# KiCad board SparkFun_Qwiic_WAV_Trigger_Pro_panelized.kicad_pcb (continued)
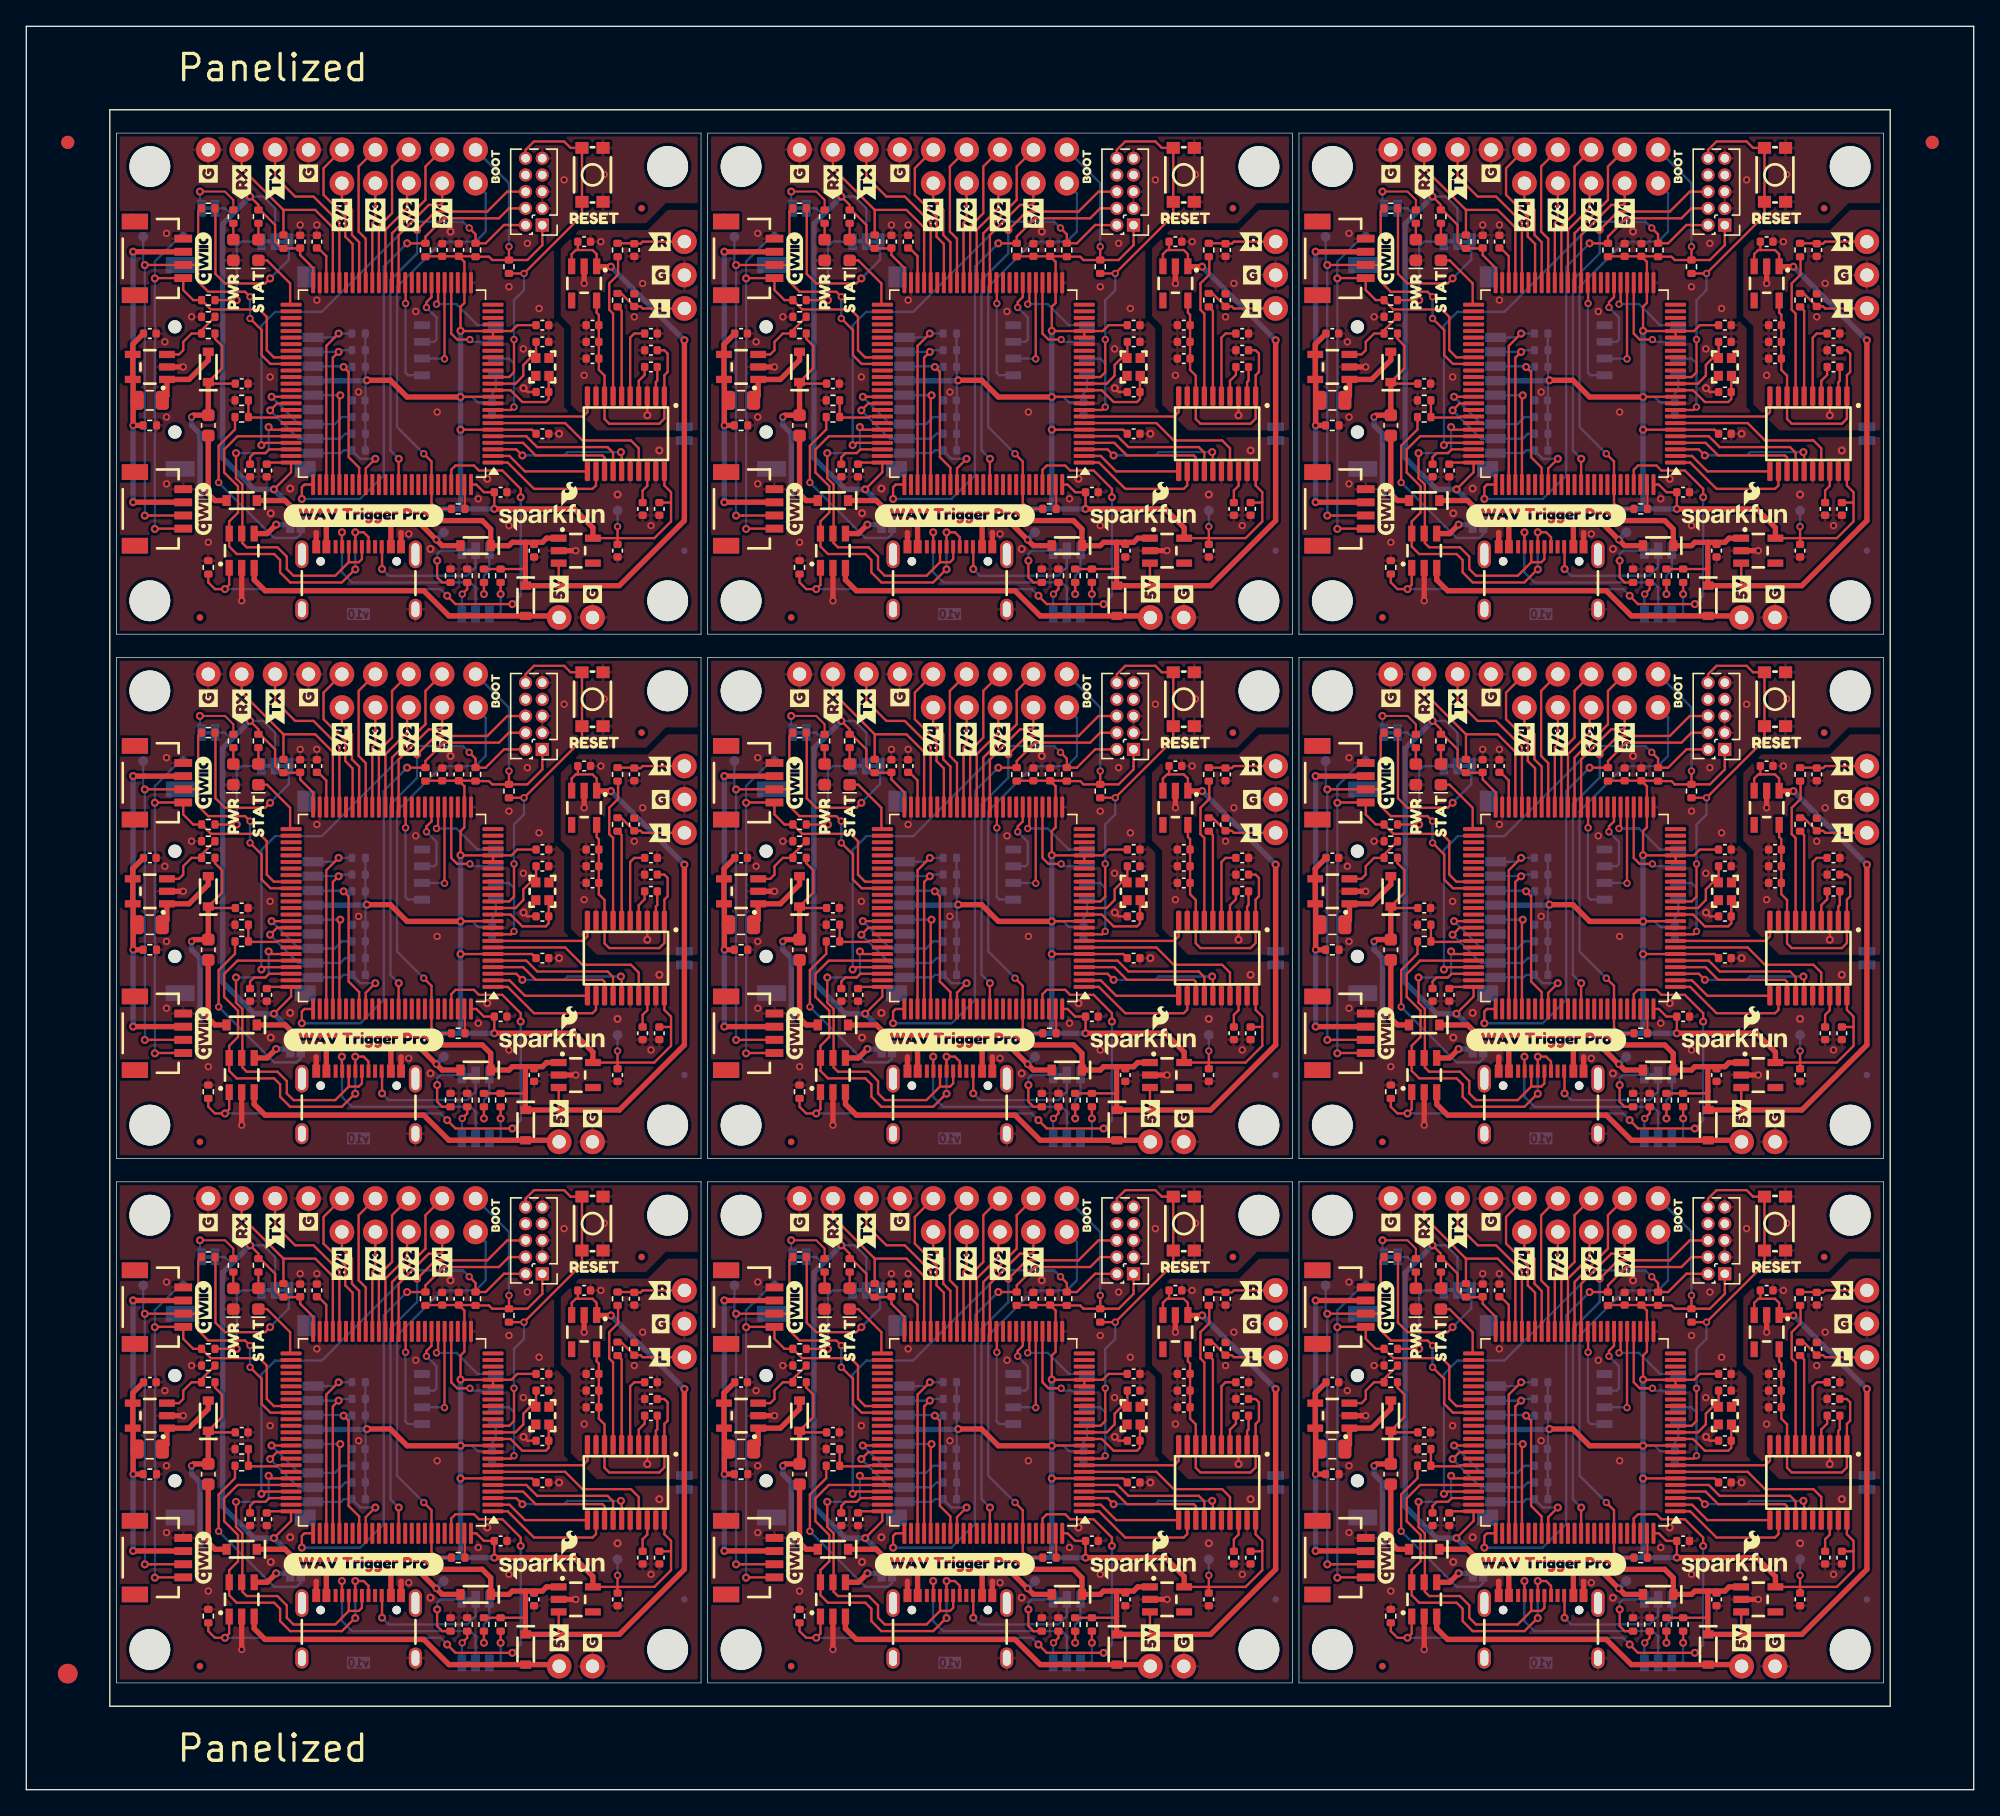
[diagram p0: board, top side]
## Routing (per net, layer and track width the routed paths; a pad name or vN(x,y) marks a point on that pad's centre or on a via; arc(x,y) is an arc through that point)
3.3V: length 1530.4
  Top w0.178: 93.46,20.5 93.46,19.42 93.96,18.91 93.96,18.15 ; C3#5.1 82.28,31.61 81.83,31.17 U3#2.21 ; 138.91,97.89 138.89,97.86 138.02,97.86 ; 138.91,97.89 138.91,96.43 137.64,95.16 134.85,95.16 ; 138.91,97.89 138.91,98.66 138.41,99.16 U5#8.20 ; U3#7.21 U3#7.20 ; U3#7.21 122.93,71.04 v1(122.91,71.05) 122.91,72.88 123.2,73.17 U3#7.27 123.2,76.3 C5#7.1 ; U3#7.21 126.79,71.04 127.23,71.48 C3#7.1 ; R7#8.1 125.33,116.31 125.33,116.31 125.07,116.56 R20#8.1 124.02,116.59 C5#8.1 ; R7#8.1 127.99,116.31 129.13,117.45 129.13,117.7 129.12,117.71 J7#8.1 ; R7#8.1 v2(126.6,117.32) ; R18#2.1 75.33,116.59 C9#2.1 C5.1 ; U3.50 111.7,115.7 110.72,116.69 C6#7.1 110.69,117.19 R17#8.1 109.33,117.19 JP5#8.2 108.82,118.97 107.67,120.12 R19#4.1 107.55,120.5 v1(106.91,121.13) ; 93.96,97.89 93.94,97.86 93.08,97.86 ; 93.96,97.89 93.96,96.43 92.69,95.16 89.9,95.16 ; 93.96,97.89 93.96,98.66 93.46,99.16 93.46,100.24 ; U3#8.21 U3#8.20 ; U3#8.21 122.93,31.17 v1(122.91,31.18) 122.91,33.01 123.2,33.3 123.2,36.43 C5#5.1 ; U3#8.21 126.79,31.17 127.23,31.61 C3#6.1 ; R7#3.1 38.09,76.44 39.23,77.58 39.23,77.83 39.23,77.84 J7.1 ; R7#3.1 35.43,76.44 35.42,76.44 35.17,76.69 R20#2.1 34.13,76.72 C5#6.1 ; R7#3.1 v2(36.7,77.45) ; C5#7.1 C9#6.1 120.27,76.72 R18#4.1 ; C5#7.1 124.02,76.72 R20#7.1 125.07,76.69 125.33,76.44 125.33,76.44 R7#7.1 ; U3#8.100 124.11,19.49 124.69,18.91 C4#8.1 v1(125.48,17.64) ; R7.1 v2(36.7,117.32) ; R7.1 38.09,116.31 39.23,117.45 39.23,117.7 39.23,117.71 J7#5.1 ; R7.1 35.43,116.31 35.42,116.31 35.17,116.56 R20#3.1 34.13,116.59 C5#2.1 ; v2(134.85,56.17) C2#7.1 134.85,55.29 ; C5#6.1 C9.1 30.38,76.72 R18#5.1 ; C5#6.1 33.3,76.3 U3#3.27 33.3,73.17 33.01,72.88 v1(33.01,71.05) 33.03,71.04 U3#3.21 ; 122.91,23.74 122.98,23.67 U3#8.6 128.35,23.67 C10#5.1 ; U3#6.50 66.76,115.7 65.77,116.69 C6#3.1 65.74,117.19 R17#4.1 64.38,117.19 JP5.2 63.86,118.97 62.72,120.12 R19.1 62.6,120.5 v1(61.96,121.13) ; 49.01,58.02 48.99,57.99 48.13,57.99 ; 49.01,58.02 49.01,56.56 47.74,55.29 44.95,55.29 ; 49.01,58.02 49.01,58.78 48.51,59.29 U5.20 ; C5#9.1 33.3,36.43 33.3,33.3 33.01,33.01 v1(33.01,31.18) 33.03,31.17 U3#9.21 ; C5#9.1 34.13,36.85 R20#9.1 35.17,36.82 35.42,36.57 35.43,36.57 R7#9.1 ; C5#9.1 C9#9.1 30.38,36.85 R18#9.1 ; U3#5.50 66.76,75.83 65.77,76.82 C6#2.1 65.74,77.32 R17#7.1 64.38,77.32 JP5#4.2 63.86,79.1 62.72,80.25 R19#5.1 62.6,80.63 v1(61.96,81.26) ; U3#4.50 21.8,115.7 20.82,116.69 C6#5.1 20.79,117.19 R17.1 19.42,117.19 JP5#5.2 18.92,118.97 17.77,120.12 R19#6.1 17.64,120.5 v1(17.01,121.13) ; R18#8.1 30.38,116.59 C9#8.1 C5#2.1 ; v1(125.48,97.38) C4#4.1 124.69,98.66 124.11,99.23 U3.100 ; U3.21 122.93,110.91 v1(122.91,110.92) 122.91,112.75 123.2,113.04 U3.27 123.2,116.17 C5#8.1 ; U3.21 U3.20 ; U3.21 126.79,110.91 127.23,111.35 C3#8.1 ; 49.01,18.15 49.01,16.69 47.74,15.42 44.95,15.42 ; 49.01,18.15 48.99,18.12 C16#9.1 ; 49.01,18.15 49.01,18.91 48.51,19.42 U5#9.20 ; v1(33.01,105.89) 33.03,105.91 U3#4.11 ; C7#7.1 63.35,100.91 U3#6.75 65.08,100.17 v1(63.78,98.87) ; U2.5 89.9,55.29 ; 89.9,55.29 92.69,55.29 93.96,56.56 93.96,58.02 ; 89.9,55.29 C2#4.1 v2(89.9,56.17) ; C3#3.1 82.28,71.48 81.83,71.04 U3#5.21 ; v2(134.85,96.04) C2#8.1 134.85,95.16 ; C5#8.1 C9#5.1 120.27,116.59 R18#7.1 ; 134.85,15.42 137.64,15.42 138.91,16.69 138.91,18.15 ; 134.85,15.42 C2.1 v2(134.85,16.3) ; 134.85,15.42 U2#7.5 ; v1(125.48,57.52) C4#6.1 124.69,58.78 124.11,59.36 U3#7.100 ; v1(35.58,97.38) C4#2.1 34.79,98.66 34.21,99.23 U3#4.100 ; R7#9.1 v2(36.7,37.58) ; R7#9.1 38.09,36.57 39.23,37.71 39.23,37.96 39.23,37.97 J7#9.1 ; U3#5.21 77.98,71.04 v1(77.96,71.05) 77.96,72.88 78.26,73.17 U3#5.27 78.26,76.3 C5#4.1 ; U3#5.21 U3#5.20 ; C10#9.1 38.45,23.67 U3#9.6 33.08,23.67 33.01,23.74 ; v1(77.96,26.15) 77.98,26.17 U3#2.11 ; 93.96,58.02 93.94,57.99 93.08,57.99 ; 93.96,58.02 93.96,58.78 93.46,59.29 93.46,60.37 ; 44.95,95.16 C2#6.1 v2(44.95,96.04) ; 44.95,95.16 U2#5.5 ; 44.95,95.16 47.74,95.16 49.01,96.43 49.01,97.89 ; C5#3.1 C9#7.1 75.33,36.85 R18#6.1 ; C5#3.1 78.26,36.43 78.26,33.3 77.96,33.01 v1(77.96,31.18) 77.98,31.17 U3#2.21 ; C5#3.1 79.08,36.85 R20#4.1 80.12,36.82 80.38,36.57 80.38,36.57 R7#4.1 ; 138.91,58.02 138.91,56.56 137.64,55.29 134.85,55.29 ; 138.91,58.02 138.91,58.78 138.41,59.29 U5#3.20 ; 138.91,58.02 138.89,57.99 138.02,57.99 ; C16#6.1 138.89,18.12 138.91,18.15 ; U3.11 122.93,105.91 v1(122.91,105.89) ; C3#2.1 82.28,111.35 81.83,110.91 U3#6.21 ; C5.1 78.26,116.17 U3#6.27 78.26,113.04 77.96,112.75 v1(77.96,110.92) 77.98,110.91 U3#6.21 ; C5.1 79.08,116.59 R20.1 80.12,116.56 80.38,116.31 80.38,116.31 R7#6.1 ; J7#4.1 129.12,77.84 129.13,77.83 129.13,77.58 127.99,76.44 R7#7.1 ; R7#7.1 v2(126.6,77.45) ; 122.91,103.48 122.98,103.41 U3.6 128.35,103.41 C10.1 ; 77.96,103.48 78.03,103.41 U3#6.6 83.39,103.41 C10#4.1 ; J7#6.1 84.17,117.71 84.18,117.7 84.18,117.45 83.04,116.31 R7#6.1 ; C7#6.1 63.35,61.04 U3#5.75 65.08,60.3 v1(63.78,59) ; 138.91,18.15 138.91,18.91 138.41,19.42 U5#5.20 ; U3#2.21 U3#2.20 ; C7#5.1 108.3,61.04 110.03,61.04 110.03,60.3 v1(108.73,59) ; 122.91,63.61 122.98,63.54 U3#7.6 128.35,63.54 C10#7.1 ; v1(35.58,17.64) C4#9.1 34.79,18.91 34.21,19.49 U3#9.100 ; R7#6.1 v2(81.64,117.32) ; U3#4.21 U3#4.20 ; U3#4.21 36.89,110.91 37.33,111.35 C3.1 ; U3#4.21 33.03,110.91 v1(33.01,110.92) 33.01,112.75 33.3,113.04 U3#4.27 33.3,116.17 C5#2.1 ; v1(63.78,19.13) 65.08,20.43 U3#2.75 63.35,21.17 C7#3.1 ; U3#8.11 122.93,26.17 v1(122.91,26.15) ; v1(33.01,26.15) 33.03,26.17 U3#9.11 ; U3#6.11 77.98,105.91 v1(77.96,105.89) ; U2#4.5 89.9,15.42 ; 89.9,15.42 92.69,15.42 93.96,16.69 93.96,18.15 ; 89.9,15.42 C2#2.1 v2(89.9,16.3) ; 77.96,63.61 78.03,63.54 U3#5.6 83.39,63.54 C10#8.1 ; 44.95,55.29 C2#5.1 v2(44.95,56.17) ; 44.95,55.29 U2#8.5 ; U3#3.50 21.8,75.83 20.82,76.82 C6.1 20.79,77.32 R17#3.1 19.42,77.32 JP5#2.2 18.92,79.1 17.77,80.25 R19#7.1 17.64,80.63 v1(17.01,81.26) ; U3#3.21 U3#3.20 ; U3#3.21 36.89,71.04 37.33,71.48 C3#4.1 ; U3#3.11 33.03,66.04 v1(33.01,66.02) ; U3#9.21 U3#9.20 ; U3#9.21 36.89,31.17 37.33,31.61 C3#9.1 ; v1(17.01,41.39) 17.64,40.76 R19#9.1 17.77,40.38 18.92,39.23 JP5#9.2 19.42,37.45 R17#9.1 20.79,37.45 20.82,37.48 20.82,36.95 21.8,35.96 21.8,34.84 ; R18#3.1 120.27,36.85 C9#4.1 C5#5.1 ; C5#5.1 124.02,36.85 R20#6.1 125.07,36.82 125.33,36.57 125.33,36.57 R7#2.1 ; C5#4.1 79.08,76.72 R20#5.1 80.12,76.69 80.38,76.44 80.38,76.44 R7#5.1 ; C5#4.1 C9#3.1 75.33,76.72 R18.1 ; U3#6.100 79.16,99.23 79.74,98.66 C4#5.1 v1(80.53,97.38) ; U2#2.5 89.9,95.16 ; 89.9,95.16 C2#3.1 v2(89.9,96.04) ; C7#4.1 108.3,21.17 110.03,21.17 110.03,20.43 v1(108.73,19.13) ; 93.96,18.15 93.94,18.12 C16#3.1 ; v1(106.91,81.26) 107.55,80.63 R19#3.1 107.67,80.25 108.82,79.1 JP5#3.2 109.33,77.32 R17#2.1 110.69,77.32 C6#8.1 110.72,76.82 111.7,75.83 U3#7.50 ; v1(18.83,19.13) 20.13,20.43 20.13,21.17 18.4,21.17 C7#9.1 ; C7.1 18.4,61.04 20.13,61.04 20.13,60.3 v1(18.83,59) ; U2#3.5 134.85,95.16 ; R7#4.1 v2(81.64,37.58) ; R7#4.1 83.04,36.57 84.18,37.71 84.18,37.96 84.17,37.97 J7#3.1 ; v1(80.53,57.52) C4#7.1 79.74,58.78 79.16,59.36 U3#5.100 ; C7#2.1 18.4,100.91 20.13,100.91 20.13,100.17 v1(18.83,98.87) ; C10#6.1 38.45,103.41 U3#4.6 33.08,103.41 33.01,103.48 ; 134.85,55.29 U2#6.5 ; U2#9.5 44.95,15.42 ; 44.95,15.42 C2#9.1 v2(44.95,16.3) ; R7#2.1 v2(126.6,37.58) ; R7#2.1 127.99,36.57 129.13,37.71 129.13,37.96 129.12,37.97 J7#2.1 ; v1(61.96,41.39) 62.6,40.76 R19#8.1 62.72,40.38 63.86,39.23 JP5#7.2 64.38,37.45 R17#6.1 65.74,37.45 65.77,37.48 65.77,36.95 66.76,35.96 66.76,34.84 ; U3#6.21 U3#6.20 ; v1(80.53,17.64) C4.1 79.74,18.91 79.16,19.49 U3#2.100 ; v1(35.58,57.52) C4#3.1 34.79,58.78 34.21,59.36 U3#3.100 ; 49.01,97.89 49.01,98.66 48.51,99.16 U5#4.20 ; 49.01,97.89 48.99,97.86 48.13,97.86 ; C7#8.1 108.3,100.91 110.03,100.91 110.03,100.17 v1(108.73,98.87) ; C10#3.1 83.39,23.67 U3#2.6 78.03,23.67 77.96,23.74 ; R7#5.1 83.04,76.44 84.18,77.58 84.18,77.83 84.17,77.84 J7#7.1 ; R7#5.1 v2(81.64,77.45) ; v1(122.91,66.02) 122.93,66.04 U3#7.11 ; v1(106.91,41.39) 107.55,40.76 R19#2.1 107.67,40.38 108.82,39.23 JP5#6.2 109.33,37.45 R17#5.1 110.69,37.45 110.72,37.48 110.72,36.95 111.7,35.96 111.7,34.84 ; U3#5.11 77.98,66.04 v1(77.96,66.02) ; C10#2.1 38.45,63.54 U3#3.6 33.08,63.54 33.01,63.61
  Top w0.406: v1(125.48,97.38) 131.55,97.38 132.98,95.96 U2#3.5 ; v1(122.91,66.02) 118.85,66.02 117.58,67.29 v1(115.8,67.29) ; v1(122.91,26.15) 118.85,26.15 117.58,27.42 v1(115.8,27.42) ; v1(25.9,67.29) 27.68,67.29 28.95,66.02 v1(33.01,66.02) ; U2#2.5 88.03,95.96 86.6,97.38 v1(80.53,97.38) ; v1(33.01,26.15) 28.95,26.15 27.68,27.42 v1(25.9,27.42) ; U2#6.5 132.98,56.09 131.55,57.52 v1(125.48,57.52) ; v1(35.58,97.38) 41.65,97.38 43.08,95.96 U2#5.5 ; v1(35.58,57.52) 41.65,57.52 43.08,56.09 U2#8.5 ; U2.5 88.03,56.09 86.6,57.52 v1(80.53,57.52) ; v1(70.85,27.42) 72.63,27.42 73.9,26.15 v1(77.96,26.15) ; U2#4.5 88.03,16.22 86.6,17.64 v1(80.53,17.64) ; v1(35.58,17.64) 41.65,17.64 43.08,16.22 U2#9.5 ; v1(122.91,105.89) 118.85,105.89 117.58,107.16 v1(115.8,107.16) ; v1(77.96,66.02) 73.9,66.02 72.63,67.29 v1(70.85,67.29) ; v1(77.96,105.89) 73.9,105.89 72.63,107.16 v1(70.85,107.16) ; v1(33.01,105.89) 28.95,105.89 27.68,107.16 v1(25.9,107.16) ; v1(125.48,17.64) 131.55,17.64 132.98,16.22 U2#7.5
  Bottom w0.178: U7.8 35.68,66.54 35.42,66.28 C28#8.1 34.31,65.61 33.9,66.02 v1(33.01,66.02) ; v1(106.91,121.13) 107.93,121.13 108.82,120.24 JP5#8.2 ; R13.1 R14#7.1 R9#5.1 70.74,108.17 70.74,105.68 C25#5.1 70.73,105.61 R10#2.1 R12#4.1 R16#3.1 ; v1(33.01,105.89) 33.9,105.89 34.31,105.48 C28#4.1 35.42,106.15 35.68,106.41 U7#4.8 ; R13#5.1 R14#3.1 R9#2.1 70.74,28.43 70.74,25.94 C25#2.1 70.73,25.87 R10#8.1 R12#3.1 R16#2.1 ; v2(134.85,16.3) TP2#4.1 ; v1(106.91,41.39) 107.93,41.39 108.82,40.5 JP5#6.2 ; v2(89.9,56.17) TP2#3.1 ; R16#7.1 R12#7.1 R10#5.1 115.67,65.74 C25#6.1 115.69,65.81 115.69,68.3 R9#8.1 R14#4.1 R13#8.1 ; R13#6.1 R14#6.1 R9#4.1 70.74,68.3 70.74,65.81 C25#8.1 70.73,65.74 R10#7.1 R12#6.1 R16#6.1 ; JP5#9.2 18.92,40.5 18.03,41.39 v1(17.01,41.39) ; J10#8.2 126.6,122.15 v2(126.6,117.32) ; JP5#5.2 18.92,120.24 18.03,121.13 v1(17.01,121.13) ; R13#9.1 R14#9.1 R9#9.1 25.79,28.43 25.79,25.94 C25#9.1 25.77,25.87 R10#9.1 R12#9.1 R16#9.1 ; v2(81.64,37.58) 81.64,42.41 J10.2 ; v1(17.01,81.26) 18.03,81.26 18.92,80.38 JP5#2.2 ; R13#3.1 R14.1 R9.1 25.79,68.3 25.79,65.81 C25#3.1 25.77,65.74 R10.1 R12#8.1 R16#4.1 ; v1(61.96,41.39) 62.98,41.39 63.86,40.5 JP5#7.2 ; J10#6.2 126.6,42.41 v2(126.6,37.58) ; JP4#4.2 60.05,40.5 60.56,40 ; v1(77.96,26.15) 78.85,26.15 79.26,25.74 C28#2.1 80.38,26.41 80.64,26.67 U7#2.8 ; 105.51,119.74 105.01,120.24 JP4#3.2 ; v2(44.95,56.17) TP2.1 ; v1(61.96,121.13) 62.98,121.13 63.86,120.24 JP5.2 ; v2(36.7,117.32) 36.7,122.15 J10#3.2 ; 105.51,79.87 105.01,80.38 JP4#8.2 ; R13#7.1 R14#5.1 R9#7.1 115.69,108.17 115.69,105.68 C25#4.1 115.67,105.61 R10#4.1 R12.1 R16#8.1 ; v1(122.91,26.15) 123.8,26.15 124.21,25.74 C28#6.1 125.33,26.41 125.58,26.67 U7#7.8 ; v2(36.7,77.45) 36.7,82.28 J10#2.2 ; v1(77.96,105.89) 78.85,105.89 79.26,105.48 C28#3.1 80.38,106.15 80.64,106.41 U7#3.8 ; J10#7.2 126.6,82.28 v2(126.6,77.45) ; JP4#9.2 15.11,40.5 15.61,40 ; R16.1 R12#5.1 R10#3.1 115.67,25.87 C25#7.1 115.69,25.94 115.69,28.43 R9#6.1 R14#8.1 R13#4.1 ; v1(122.91,105.89) 123.8,105.89 124.21,105.48 C28#7.1 125.33,106.15 125.58,106.41 U7#6.8 ; v1(77.96,66.02) 78.85,66.02 79.26,65.61 C28.1 80.38,66.28 80.64,66.54 U7#5.8 ; v2(44.95,96.04) TP2#6.1 ; v2(89.9,96.04) TP2#8.1 ; v2(134.85,96.04) TP2#5.1 ; v2(89.9,16.3) TP2#2.1 ; 60.56,79.87 60.05,80.38 JP4#6.2 ; 15.61,79.87 15.11,80.38 JP4#2.2 ; J10#4.2 81.64,82.28 v2(81.64,77.45) ; v2(36.7,37.58) 36.7,42.41 J10#9.2 ; R16#5.1 R12#2.1 R10#6.1 25.77,105.61 C25.1 25.79,105.68 25.79,108.17 R9#3.1 R14#2.1 R13#2.1 ; v1(122.91,66.02) 123.8,66.02 124.21,65.61 C28#5.1 125.33,66.28 125.58,66.54 U7#8.8 ; JP4.2 105.01,40.5 105.51,40 ; 15.61,119.74 15.11,120.24 JP4#5.2 ; v1(106.91,81.26) 107.93,81.26 108.82,80.38 JP5#3.2 ; JP4#7.2 60.05,120.24 60.56,119.74 ; J10#5.2 81.64,122.15 v2(81.64,117.32) ; v2(134.85,56.17) TP2#7.1 ; JP5#4.2 63.86,80.38 62.98,81.26 v1(61.96,81.26) ; v2(44.95,16.3) TP2#9.1 ; v1(33.01,26.15) 33.9,26.15 34.31,25.74 C28#9.1 35.42,26.41 35.68,26.67 U7#9.8
  Bottom w0.406: 33.14,57.52 v1(35.58,57.52) ; 33.14,57.52 20.31,57.52 v1(18.83,59) 17.32,59 14.93,61.39 14.93,79.18 v1(17.01,81.26) ; 33.14,57.52 33.01,57.64 v1(33.01,71.05) ; v1(122.91,71.05) 122.91,57.64 123.04,57.52 ; v1(77.96,110.92) 77.96,97.51 78.09,97.38 ; 78.09,17.64 v1(80.53,17.64) ; 78.09,17.64 77.96,17.77 v1(77.96,31.18) ; 78.09,17.64 65.26,17.64 v1(63.78,19.13) 62.27,19.13 59.88,21.52 59.88,39.31 v1(61.96,41.39) ; J5#9.4 25.84,27.39 25.87,27.42 v1(25.9,27.42) ; v1(35.58,97.38) 33.14,97.38 ; 78.09,97.38 65.26,97.38 v1(63.78,98.87) 62.27,98.87 59.88,101.26 59.88,119.05 v1(61.96,121.13) ; 78.09,97.38 v1(80.53,97.38) ; v1(122.91,31.18) 122.91,17.77 123.04,17.64 ; v1(80.53,57.52) 78.09,57.52 ; v1(70.85,107.16) 70.82,107.16 70.79,107.13 J5#6.4 ; 33.14,17.64 33.01,17.77 v1(33.01,31.18) ; 33.14,17.64 20.31,17.64 v1(18.83,19.13) 17.32,19.13 14.93,21.52 14.93,39.31 v1(17.01,41.39) ; 33.14,17.64 v1(35.58,17.64) ; 123.04,97.38 122.91,97.51 v1(122.91,110.92) ; 123.04,97.38 v1(125.48,97.38) ; 123.04,97.38 110.21,97.38 v1(108.73,98.87) 107.22,98.87 104.83,101.26 104.83,119.05 v1(106.91,121.13) ; v1(25.9,67.29) 25.87,67.29 25.84,67.26 J5.4 ; 123.04,57.52 v1(125.48,57.52) ; 123.04,57.52 110.21,57.52 v1(108.73,59) 107.22,59 104.83,61.39 104.83,79.18 v1(106.91,81.26) ; v1(125.48,17.64) 123.04,17.64 ; v1(70.85,27.42) 70.82,27.42 70.79,27.39 J5#3.4 ; 123.04,17.64 110.21,17.64 v1(108.73,19.13) 107.22,19.13 104.83,21.52 104.83,39.31 v1(106.91,41.39) ; J5#7.4 115.74,67.26 115.77,67.29 v1(115.8,67.29) ; 78.09,57.52 77.96,57.64 v1(77.96,71.05) ; 78.09,57.52 65.26,57.52 v1(63.78,59) 62.27,59 59.88,61.39 59.88,79.18 v1(61.96,81.26) ; v1(115.8,107.16) 115.77,107.16 115.74,107.13 J5#4.4 ; v1(25.9,107.16) 25.87,107.16 25.84,107.13 J5#2.4 ; 33.14,97.38 33.01,97.51 v1(33.01,110.92) ; 33.14,97.38 20.31,97.38 v1(18.83,98.87) 17.32,98.87 14.93,101.26 14.93,119.05 v1(17.01,121.13) ; J5#8.4 70.79,67.26 70.82,67.29 v1(70.85,67.29) ; J5#5.4 115.74,27.39 115.77,27.42 v1(115.8,27.42)
  vias: v1(33.01,103.4) v1(33.01,63.53) v1(33.01,23.66) v1(77.96,103.4) v1(77.96,63.53) v1(77.96,23.66) v1(122.91,103.4) v1(122.91,63.53) v1(122.91,23.66)
3.3V_A: length 180.6
  Top w0.178: C18#7.1 138.41,69.58 138.66,69.33 138.66,67.93 138.41,67.68 U5#3.1 138.41,64.38 138.02,63.99 134.21,63.99 133.86,64.35 U5#3.8 133.86,67.65 133.43,68.08 C19#7.1 C17#8.1 C15#3.1 133.43,72.27 133.26,72.44 U4#5.5 ; 47.97,29.71 48.51,29.71 48.76,29.46 48.76,28.06 48.51,27.81 U5#9.1 48.51,24.51 48.13,24.12 44.32,24.12 43.96,24.48 U5#9.8 43.96,27.78 43.52,28.21 C19#9.1 C17#9.1 C15#9.1 43.52,32.41 43.36,32.57 U4#9.5 ; 47.97,69.58 48.51,69.58 48.76,69.33 48.76,67.93 48.51,67.68 U5.1 48.51,64.38 48.13,63.99 44.32,63.99 43.96,64.35 U5.8 43.96,67.65 43.52,68.08 C19#4.1 C17.1 C15#2.1 43.52,72.27 43.36,72.44 U4#7.5 ; C18#8.1 138.41,109.45 138.66,109.2 138.66,107.8 138.41,107.55 U5#8.1 138.41,104.25 138.02,103.86 134.21,103.86 133.86,104.22 U5#8.8 133.86,107.52 133.43,107.95 C19#8.1 C17#3.1 C15#8.1 133.43,112.14 133.26,112.31 U4#4.5 ; U4#3.5 88.31,112.31 88.48,112.14 C15#6.1 C17#4.1 C19.1 88.48,107.95 88.91,107.52 U5#2.8 88.91,104.22 89.27,103.86 93.08,103.86 93.46,104.25 93.46,107.55 93.71,107.8 93.71,109.2 93.46,109.45 C18#5.1 ; C18#4.1 93.46,29.71 93.71,29.46 93.71,28.06 93.46,27.81 93.46,24.51 93.08,24.12 89.27,24.12 88.91,24.48 U5#6.8 88.91,27.78 88.48,28.21 C19#5.1 C17#6.1 C15#5.1 88.48,32.41 88.31,32.57 U4.5 ; C18#2.1 93.46,69.58 93.71,69.33 93.71,67.93 93.46,67.68 93.46,64.38 93.08,63.99 89.27,63.99 88.91,64.35 U5#7.8 88.91,67.65 88.48,68.08 C19#2.1 C17#7.1 C15.1 88.48,72.27 88.31,72.44 U4#8.5 ; 47.97,109.45 48.51,109.45 48.76,109.2 48.76,107.8 48.51,107.55 U5#4.1 48.51,104.25 48.13,103.86 44.32,103.86 43.96,104.22 U5#4.8 43.96,107.52 43.52,107.95 C19#3.1 C17#5.1 C15#4.1 43.52,112.14 43.36,112.31 U4#2.5 ; U4#6.5 133.26,32.57 133.43,32.41 C15#7.1 C17#2.1 C19#6.1 133.43,28.21 133.86,27.78 U5#5.8 133.86,24.48 134.21,24.12 138.02,24.12 138.41,24.51 U5#5.1 138.41,27.81 138.66,28.06 138.66,29.46 138.41,29.71 C18.1
3.3V_P: length 315.8
  Top w0.406: J3#7.2 98.92,37.19 v1(98.02,37.2) ; v1(98.02,18.15) 101.82,18.15 J4#8.2 ; J3#6.2 53.97,116.94 v1(53.07,116.94) ; J3#9.2 9.02,37.19 v1(8.12,37.2) ; 8.12,105.64 v2(8.12,103.73) R25.1 ; 8.12,105.64 8.12,107.2 U6.5 U6.4 8.09,109.9 C26#6.1 ; 8.12,105.64 L1#5.1 ; v1(53.07,77.07) 53.97,77.06 J3.2 ; v1(98.02,116.94) 98.92,116.94 J3#8.2 ; J4.2 56.87,97.89 v1(53.07,97.89) ; C26#8.1 53.04,70.03 U6#5.4 U6#5.5 53.07,67.33 53.07,65.77 ; v1(98.02,77.07) 98.92,77.06 J3#2.2 ; L1#9.1 8.12,25.9 ; 8.12,25.9 8.12,27.46 U6#9.5 U6#9.4 8.09,30.16 C26#9.1 ; 8.12,25.9 v2(8.12,23.99) R25#9.1 ; R25#8.1 v2(98.02,63.86) 98.02,65.77 ; v1(8.12,77.07) 9.02,77.06 J3#3.2 ; L1#2.1 53.07,25.9 ; 53.07,25.9 v2(53.07,23.99) R25#6.1 ; 53.07,25.9 53.07,27.46 U6#2.5 U6#2.4 53.04,30.16 C26#4.1 ; v1(53.07,18.15) 56.87,18.15 J4#6.2 ; J4#9.2 11.92,18.15 v1(8.12,18.15) ; 8.12,65.77 v2(8.12,63.86) R25#5.1 ; 8.12,65.77 8.12,67.33 U6#8.5 U6#8.4 8.09,70.03 C26#3.1 ; 8.12,65.77 L1#4.1 ; v1(8.12,97.89) 11.92,97.89 J4#5.2 ; R25#4.1 v2(53.07,103.73) 53.07,105.64 ; v1(53.07,37.2) 53.97,37.19 J3#5.2 ; C26#2.1 97.99,109.9 U6#4.4 U6#4.5 98.02,107.2 98.02,105.64 ; C26.1 97.99,70.03 U6#7.4 U6#7.5 98.02,67.33 98.02,65.77 ; v1(8.12,58.02) 11.92,58.02 J4#2.2 ; 53.07,65.77 L1#3.1 ; 53.07,65.77 v2(53.07,63.86) R25#7.1 ; 98.02,65.77 98.34,65.77 ; R25#3.1 v2(98.02,23.99) 98.02,25.9 ; J4#3.2 101.82,97.89 v1(98.02,97.89) ; 98.02,25.9 98.02,27.46 U6#6.5 U6#6.4 97.99,30.16 C26#5.1 ; 98.02,25.9 98.34,25.9 ; C26#7.1 53.04,109.9 U6#3.4 U6#3.5 53.07,107.2 53.07,105.64 ; J4#4.2 101.82,58.02 v1(98.02,58.02) ; J4#7.2 56.87,58.02 v1(53.07,58.02) ; 98.02,105.64 v2(98.02,103.73) R25#2.1 ; 98.02,105.64 98.34,105.64 ; v1(8.12,116.94) 9.02,116.94 J3#4.2 ; 53.07,105.64 L1.1
  Bottom w0.406: v1(53.07,37.2) v2(53.07,23.99) v1(53.07,18.15) ; v1(53.07,116.94) v2(53.07,103.73) v1(53.07,97.89) ; v1(98.02,37.2) v2(98.02,23.99) v1(98.02,18.15) ; v1(8.12,116.94) v2(8.12,103.73) v1(8.12,97.89) ; v1(8.12,18.15) v2(8.12,23.99) v1(8.12,37.2) ; v1(98.02,77.07) v2(98.02,63.86) v1(98.02,58.02) ; v1(98.02,116.94) v2(98.02,103.73) v1(98.02,97.89) ; v1(53.07,77.07) v2(53.07,63.86) v1(53.07,58.02) ; v1(8.12,77.07) v2(8.12,63.86) v1(8.12,58.02)
5V: length 676.9
  Top w0.178: U2#4.3 85.42,11.84 85.45,11.81 ; R2#4.2 R4#2.2 82.76,52.94 82.88,53.07 ; U4#4.1 133.26,116.75 132.94,117.07 131.84,117.07 ; 86.89,37.33 87.99,37.33 88.31,37.02 U4.1 ; 86.89,37.33 86.88,37.34 C14#2.1 ; 86.89,37.33 86.73,37.33 86.41,37.02 U4.3 ; 130.41,91.55 130.37,91.58 U2#3.3 ; R2#7.2 R4#8.2 127.71,92.81 127.83,92.94 ; U4#7.1 43.36,76.88 43.05,77.2 41.94,77.2 ; 41.46,75.96 41.46,76.88 41.77,77.2 41.94,77.2 ; 41.46,115.83 41.46,116.75 41.77,117.07 41.94,117.07 ; 37.93,53.07 37.81,52.94 R4#3.2 R2#2.2 ; 40.51,11.81 40.47,11.84 U2#9.3 ; 124.69,13.07 127.71,13.07 127.83,13.2 ; U4#3.3 86.41,116.75 86.73,117.07 86.89,117.07 ; 131.84,77.2 131.68,77.2 131.36,76.88 U4#5.3 ; 131.84,77.2 132.94,77.2 133.26,76.88 U4#5.1 ; 131.84,77.2 131.83,77.21 C14#7.1 ; 41.46,36.09 41.46,37.02 41.77,37.33 41.94,37.33 ; U4#6.3 131.36,37.02 131.68,37.33 131.84,37.33 ; 85.45,91.55 85.42,91.58 U2#2.3 ; R2#3.2 R4#5.2 82.76,92.81 82.88,92.94 ; R2#5.2 R4.2 37.81,92.81 37.93,92.94 ; 41.94,117.07 43.05,117.07 43.36,116.75 U4#2.1 ; 41.94,117.07 41.93,117.08 C14#4.1 ; C14#9.1 41.93,37.34 41.94,37.33 ; 130.41,11.81 130.37,11.84 U2#7.3 ; 86.89,77.2 87.99,77.2 88.31,76.88 U4#8.1 ; 86.89,77.2 86.73,77.2 86.41,76.88 U4#8.3 ; 86.89,77.2 86.88,77.21 C14#3.1 ; 41.94,37.33 43.05,37.33 43.36,37.02 U4#9.1 ; 40.51,91.55 40.47,91.58 U2#5.3 ; C14#5.1 131.83,37.34 131.84,37.33 ; 40.51,51.68 40.47,51.71 U2#8.3 ; 86.89,117.07 86.88,117.08 C14#6.1 ; 86.89,117.07 87.99,117.07 88.31,116.75 U4#3.1 ; 41.94,77.2 41.93,77.21 C14.1 ; 34.79,13.07 37.81,13.07 37.93,13.2 ; U4#6.1 133.26,37.02 132.94,37.33 131.84,37.33 ; 85.45,51.68 85.42,51.71 U2.3 ; 131.84,117.07 131.68,117.07 131.36,116.75 U4#4.3 ; 131.84,117.07 131.83,117.08 C14#8.1 ; 127.83,53.07 127.71,52.94 R4#7.2 R2#8.2 ; 130.41,51.68 130.37,51.71 U2#6.3 ; 82.88,13.2 82.76,13.07 79.74,13.07
  Top w0.406: 83.55,15.1 C1.1 ; 83.55,15.1 82.92,15.1 ; 83.55,15.1 84.18,15.1 84.5,15.42 U2#4.1 ; 37.96,15.1 37.93,15.07 37.93,11.84 D2#9.C 45.08,11.81 50.03,16.76 v1(50.03,30.47) ; 37.96,15.1 36.95,15.1 36.7,14.85 D1#9.C 35.3,16.11 34.66,16.76 31.11,16.76 30.35,17.52 20.44,17.52 19.68,18.28 D6#9.C ; 37.96,15.1 38.6,15.1 ; 38.6,15.1 C1#9.1 ; 38.6,15.1 39.23,15.1 39.55,15.42 U2#9.1 ; 37.96,94.84 37.93,94.81 37.93,91.58 D2#6.C 45.08,91.55 50.03,96.5 v1(50.03,110.21) ; 37.96,94.84 38.6,94.84 ; 37.96,94.84 36.95,94.84 36.7,94.59 D1#2.C 35.3,95.85 34.66,96.5 31.11,96.5 30.35,97.26 20.44,97.26 19.68,98.02 D6.C ; U4#5.1 133.29,75.93 v1(134.34,75.93) ; v1(139.93,30.47) 139.93,16.76 134.98,11.81 D2#7.C 127.83,11.84 127.83,15.07 127.86,15.1 ; U4#3.1 88.34,115.8 v1(89.39,115.8) ; v1(89.39,75.93) 88.34,75.93 U4#8.1 ; 127.86,15.1 128.5,15.1 ; 127.86,15.1 126.85,15.1 126.6,14.85 D1#3.C 125.2,16.11 124.56,16.76 121.01,16.76 120.24,17.52 110.34,17.52 109.58,18.28 D6#8.C ; 83.55,94.84 C1#3.1 ; 83.55,94.84 82.92,94.84 ; 83.55,94.84 84.18,94.84 84.5,95.16 U2#2.1 ; 82.92,15.1 82.88,15.07 82.88,11.84 D2#4.C 90.03,11.81 94.98,16.76 v1(94.98,30.47) ; 82.92,15.1 81.9,15.1 81.64,14.85 D1.C 80.26,16.11 79.61,16.76 76.06,16.76 75.3,17.52 65.39,17.52 64.63,18.28 D6#6.C ; D6#4.C 109.58,98.02 110.34,97.26 120.24,97.26 121.01,96.5 124.56,96.5 125.2,95.85 D1#7.C 126.6,94.59 126.85,94.84 127.86,94.84 ; v1(44.44,75.93) 43.39,75.93 U4#7.1 ; 127.86,94.84 127.83,94.81 127.83,91.58 D2#3.C 134.98,91.55 139.93,96.5 v1(139.93,110.21) ; 127.86,94.84 128.5,94.84 ; U2.1 84.5,55.29 84.18,54.97 83.55,54.97 ; 82.92,94.84 81.9,94.84 81.64,94.59 D1#4.C 80.26,95.85 79.61,96.5 76.06,96.5 75.3,97.26 65.39,97.26 64.63,98.02 D6#5.C ; 82.92,94.84 82.88,94.81 82.88,91.58 D2#5.C 90.03,91.55 94.98,96.5 v1(94.98,110.21) ; 127.86,54.97 127.83,54.94 127.83,51.71 D2#2.C 134.98,51.68 139.93,56.63 v1(139.93,70.34) ; 127.86,54.97 128.5,54.97 ; 127.86,54.97 126.85,54.97 126.6,54.72 D1#5.C 125.2,55.98 124.56,56.63 121.01,56.63 120.24,57.39 110.34,57.39 109.58,58.15 D6#7.C ; U2#5.1 39.55,95.16 39.23,94.84 38.6,94.84 ; 83.55,54.97 C1#2.1 ; 83.55,54.97 82.92,54.97 ; 37.96,54.97 36.95,54.97 36.7,54.72 D1#6.C 35.3,55.98 34.66,56.63 31.11,56.63 30.35,57.39 20.44,57.39 19.68,58.15 D6#2.C ; 37.96,54.97 38.6,54.97 ; 37.96,54.97 37.93,54.94 37.93,51.71 D2.C 45.08,51.68 50.03,56.63 v1(50.03,70.34) ; 128.5,54.97 129.13,54.97 129.45,55.29 U2#6.1 ; 128.5,54.97 C1#6.1 ; v1(44.44,115.8) 43.39,115.8 U4#2.1 ; U2#8.1 39.55,55.29 39.23,54.97 38.6,54.97 ; 128.5,94.84 C1#7.1 ; 128.5,94.84 129.13,94.84 129.45,95.16 U2#3.1 ; 38.6,54.97 C1#5.1 ; 82.92,54.97 82.88,54.94 82.88,51.71 D2#8.C 90.03,51.68 94.98,56.63 v1(94.98,70.34) ; 82.92,54.97 81.9,54.97 81.64,54.72 D1#8.C 80.26,55.98 79.61,56.63 76.06,56.63 75.3,57.39 65.39,57.39 64.63,58.15 D6#3.C ; 38.6,94.84 C1#4.1 ; 128.5,15.1 C1#8.1 ; 128.5,15.1 129.13,15.1 129.45,15.42 U2#7.1 ; U4#9.1 43.39,36.06 v1(44.44,36.06) ; v1(89.39,36.06) 88.34,36.06 U4.1 ; U4#4.1 133.29,115.8 v1(134.34,115.8) ; v1(134.34,36.06) 133.29,36.06 U4#6.1
  Bottom w0.406: v1(94.98,30.47) v1(89.39,36.06) ; v1(139.93,70.34) v1(134.34,75.93) ; v1(50.03,30.47) v1(44.44,36.06) ; v1(94.98,110.21) v1(89.39,115.8) ; v1(94.98,70.34) v1(89.39,75.93) ; v1(50.03,110.21) v1(44.44,115.8) ; v1(50.03,70.34) v1(44.44,75.93) ; v1(139.93,30.47) v1(134.34,36.06) ; v1(139.93,110.21) v1(134.34,115.8)
/CPU/VBUS_DET: length 41.1
  Top w0.178: U3#6.68 64.08,104.41 64,104.33 61.87,104.33 R26#8.1 R27#8.2 ; 20.13,64.54 19.13,64.54 19.05,64.46 16.92,64.46 R26#6.1 R27.2 ; 110.03,104.41 109.03,104.41 108.95,104.33 106.82,104.33 R26#5.1 R27#7.2 ; 110.03,24.67 109.03,24.67 108.95,24.59 106.82,24.59 R26.1 R27#5.2 ; 20.13,24.67 19.13,24.67 19.05,24.59 16.92,24.59 R26#9.1 R27#9.2 ; 110.03,64.54 109.03,64.54 108.95,64.46 106.82,64.46 R26#2.1 R27#6.2 ; U3#2.68 64.08,24.67 64,24.59 61.87,24.59 R26#3.1 R27#2.2 ; U3#5.68 64.08,64.54 64,64.46 61.87,64.46 R26#4.1 R27#4.2 ; R27#3.2 R26#7.1 16.92,104.33 19.05,104.33 19.13,104.41 20.13,104.41
/CPU/VBUS_ENA: length 382.4
  Top w0.178: v1(82.53,58.4) 82.53,59.04 81.14,60.44 79.36,60.44 78.98,60.82 77.58,60.82 77.26,60.49 U3#5.97 ; R1.1 13.83,51.93 14.34,51.42 v1(15.11,51.42) 15.42,51.74 U1.1 ; U3#6.97 77.26,100.36 77.58,100.69 78.98,100.69 79.36,100.31 81.14,100.31 82.53,98.91 v1(82.53,98.27) ; U1#9.1 15.42,11.87 v1(15.11,11.55) 14.34,11.55 13.83,12.06 R1#9.1 ; U1#7.1 15.42,91.61 v1(15.11,91.29) 14.34,91.29 13.83,91.8 R1#7.1 ; U3#8.97 122.2,20.62 122.53,20.95 123.93,20.95 124.31,20.57 126.09,20.57 127.48,19.17 v1(127.48,18.53) ; U3#2.97 77.26,20.62 77.58,20.95 78.98,20.95 79.36,20.57 81.14,20.57 82.53,19.17 v1(82.53,18.53) ; v1(127.48,98.27) 127.48,98.91 126.09,100.31 124.31,100.31 123.93,100.69 122.53,100.69 122.2,100.36 U3.97 ; R1#5.1 58.79,51.93 59.29,51.42 v1(60.05,51.42) 60.38,51.74 U1#4.1 ; v1(121.9,50.91) 122.53,50.28 v1(126.85,50.28) ; v1(76.95,50.91) 77.58,50.28 v1(81.9,50.28) ; v1(36.95,50.28) 32.63,50.28 v1(32,50.91) ; v1(76.95,11.04) 77.58,10.41 v1(81.9,10.41) ; U1#6.1 105.33,11.87 v1(105.01,11.55) 104.24,11.55 103.73,12.06 R1#4.1 ; R1#6.1 103.73,91.8 104.24,91.29 v1(105.01,91.29) 105.33,91.61 U1#5.1 ; U1#3.1 60.38,91.61 v1(60.05,91.29) 59.29,91.29 58.79,91.8 R1#3.1 ; v1(37.58,18.53) 37.58,19.17 36.19,20.57 34.41,20.57 34.03,20.95 32.63,20.95 32.3,20.62 U3#9.97 ; v1(32,11.04) 32.63,10.41 v1(36.95,10.41) ; v1(127.48,58.4) 127.48,59.04 126.09,60.44 124.31,60.44 123.93,60.82 122.53,60.82 122.2,60.49 U3#7.97 ; v1(126.85,10.41) 122.53,10.41 v1(121.9,11.04) ; U3#3.97 32.3,60.49 32.63,60.82 34.03,60.82 34.41,60.44 36.19,60.44 37.58,59.04 v1(37.58,58.4) ; v1(81.9,90.15) 77.58,90.15 v1(76.95,90.78) ; v1(126.85,90.15) 122.53,90.15 v1(121.9,90.78) ; U1#2.1 60.38,11.87 v1(60.05,11.55) 59.29,11.55 58.79,12.06 R1#2.1 ; U1#8.1 105.33,51.74 v1(105.01,51.42) 104.24,51.42 103.73,51.93 R1#8.1 ; v1(37.58,98.27) 37.58,98.91 36.19,100.31 34.41,100.31 34.03,100.69 32.63,100.69 32.3,100.36 U3#4.97 ; v1(36.95,90.15) 32.63,90.15 v1(32,90.78)
  Bottom w0.178: v1(81.9,50.28) 82.53,50.91 v1(82.53,58.4) ; v1(76.95,50.91) 76.44,51.42 v1(60.05,51.42) ; v1(37.58,58.4) 37.58,50.91 v1(36.95,50.28) ; v1(81.9,10.41) 82.53,11.04 v1(82.53,18.53) ; v1(76.95,11.04) 76.44,11.55 v1(60.05,11.55) ; v1(36.95,90.15) 37.58,90.78 v1(37.58,98.27) ; v1(36.95,10.41) 37.58,11.04 v1(37.58,18.53) ; v1(15.11,51.42) 31.49,51.42 v1(32,50.91) ; v1(121.9,90.78) 121.39,91.29 v1(105.01,91.29) ; v1(15.11,11.55) 31.49,11.55 v1(32,11.04) ; v1(126.85,10.41) 127.48,11.04 v1(127.48,18.53) ; v1(15.11,91.29) 31.49,91.29 v1(32,90.78) ; v1(126.85,90.15) 127.48,90.78 v1(127.48,98.27) ; v1(121.9,11.04) 121.39,11.55 v1(105.01,11.55) ; v1(126.85,50.28) 127.48,50.91 v1(127.48,58.4) ; v1(82.53,98.27) 82.53,90.78 v1(81.9,90.15) ; v1(105.01,51.42) 121.39,51.42 v1(121.9,50.91) ; v1(60.05,91.29) 76.44,91.29 v1(76.95,90.78)
